# Allegro board 038NC-GRIFFI-V9A_16_20260429.brd (continued)
## Routing (per net, layer and track width the routed paths; a pad name or vN(x,y) marks a point on that pad's centre or on a via; arc(x,y) is an arc through that point) (continued)
S11_NPG / ATB1_F: length 25.7
  TOP w0.254: v1(176.02,273.78) 176.02,272.4 178.18,270.24 SITE11.F27
  L03_SIGNAL w0.076: v1(176.02,273.78) 175.22,274.58 175.22,277.88 168.03,285.06 168.03,288.78 UNK11K13.3
S11_NPG / ATB1_S: length 24.8
  L03_SIGNAL w0.076: v3(178.18,269.12) 178.18,271.38 176.7,272.87 176.7,279.78 172.63,283.85 172.63,287.38 UNK11K13.6
S11_NTC: length 67.1
  TOP w0.152: v1(172.63,262.69) 176.23,266.29 SITE11.F7 SITE11.S7
  L03_SIGNAL w0.076: UNK11TP_NTC.1 173.5,307.08 165.44,299.02 165.44,284.1 166.36,283.18 169.35,283.18 173.27,279.27 173.27,263.32 v1(172.63,262.69)
S11_NTC_K4K: length 31.6
  TOP w0.152: UNK11K5.3 186.69,307.08 185.54,308.23 180.74,308.23 179.9,307.39 179.9,306.37 UNK11K4.2 180.39,303.88 UNK11K6.3 175.53,305.48 175.53,307.39 174.75,308.18 167.57,308.18 UNK11K7.3
S11_SCL: length 9
  TOP w0.152: v1(185.36,261.57) 181.01,265.92 SITE11.F15 SITE11.S15 ; UNK11SH40.2 UNK11TP_SCL.1
S11_SCL_K9R: length 2.8
  BOTTOM w0.152: UNK11R7.2 166.25,328.04 UNK11K9.5
S11_SDA: length 7.5
  TOP w0.152: UNK11SH41.2 UNK11TP_SDA.1 ; SITE11.S14 SITE11.F14 180.18,264.18 v1(182.79,261.57)
S11_SDA_K9R: length 2.8
  BOTTOM w0.152: UNK11K9.4 169.89,328.04 UNK11R8.2
S11_VBAT_F: length 17.8
  TOP w0.152: SITE11.F1 175.77,268.69 v1(175.12,269.34)
  TOP w1.016: v1(172.62,271.3) 173.16,271.3 v1(175.12,269.34)
  BOTTOM w1.016: UNK11K10.3 185.47,287.14 186.65,285.95 186.65,284.72 188.05,283.33 189.49,283.33 190.5,284.34 190.5,286.04 191.6,287.14 UNK11TP_VBAT_F.1
S11_VBAT_K11C: length 2.2
  BOTTOM w0.152: UNK11C6.1 UNK11K11.4
S11_VBAT_K12: length 22.5
  BOTTOM w0.152: UNK11C9.1 183.59,297.11 UNK11U1.6 185.84,296.34 186.66,295.53 186.66,291.57 187.14,291.08 192.6,291.08 193.9,289.79 193.9,286.78 UNK11TP_REF_5V.1
S11_VBAT_S: length 8.4
  BOTTOM w0.152: UNK11K10.6 182.49,288.24 187.76,288.24 UNK11TP_VBAT_S.1
  vias: v3(177.36,268.69)
S11_VBUS_CK: length 8.1
  BOTTOM w0.152: UNK11C2.2 180.78,239.17 182.88,241.27 182.88,242.75 UNK11K1.3
S11_VSET: length 23.1
  TOP w0.152: v1(175.17,261.57) 177.79,264.18 SITE11.F8 SITE11.S8 ; UNK11TP_VEST.1 UNK11K3.3
  L03_SIGNAL w0.076: v1(175.17,261.57) 168.27,261.57 166.92,262.92 166.92,267.4 UNK11K3.3
S11_VSET_K3R: length 6.1
  BOTTOM w0.152: UNK11R1.2 166.23,261.71 166.23,265.88 UNK11K3.2
S12_AVSS_GS:
  vias: v1(171.62,208.34) v1(180.46,216.2) v1(180.47,214.78)
S12_AVSS_S[01]: length 6
  TOP w0.152: v1(172.62,208.34) 173.69,208.34 174.13,207.89 SITE12.S3
  BOTTOM w0.152: UNK12RS3.2 v1(172.62,208.34)
S12_EPAD2:
  vias: v1(181.46,216.2)
S12_NCHG / ATB0_F: length 24.3
  TOP w0.254: SITE12.F26 178.58,210.86 177.5,211.94 v1(177.5,213.78)
  L03_SIGNAL w0.076: v1(177.5,213.78) 178.07,214.35 178.07,221.23 175.4,223.89 175.4,229.91 UNK12K14.3
S12_NCHG / ATB0_S: length 23.8
  L03_SIGNAL w0.076: UNK12TP_NCHG/ATB0_S.1 177.13,231.38 178.8,229.71 178.8,217.16 179.74,216.22 179.74,211.84 178.58,210.68 v3(178.58,209.12)
S12_NPG / ATB1_F: length 26.7
  TOP w0.254: v1(176.02,213.78) 176.02,212.4 178.18,210.24 SITE12.F27
  L03_SIGNAL w0.076: UNK12K13.3 168.03,229.82 168.03,226.1 175.22,218.91 175.22,214.58 v1(176.02,213.78)
S12_NPG / ATB1_S: length 25.8
  L03_SIGNAL w0.076: UNK12K13.6 172.63,228.42 172.63,224.88 176.7,220.82 176.7,212.24 178.18,210.75 v3(178.18,209.12)
S12_NTC: length 42.9
  TOP w0.152: SITE12.S7 SITE12.F7 176.23,206.29 v1(172.63,202.69)
  L03_SIGNAL w0.076: UNK12TP_NTC.1 177.13,168.51 172.63,173.01 v1(172.63,202.69)
S12_NTC_K4K: length 31.6
  TOP w0.152: UNK12K7.3 190.96,166.8 183.78,166.8 182.99,167.59 182.99,169.5 UNK12K6.3 178.13,171.1 UNK12K4.2 178.62,168.61 178.62,167.59 177.79,166.75 172.99,166.75 171.83,167.9 UNK12K5.3
S12_SCL: length 9
  TOP w0.152: UNK12TP_SCL.1 UNK12SH40.2 ; SITE12.S15 SITE12.F15 181.01,205.92 v1(185.36,201.57)
S12_SCL_K9R: length 2.8
  BOTTOM w0.152: UNK12R7.2 192.28,146.94 UNK12K9.5
S12_SDA: length 7.5
  TOP w0.152: SITE12.S14 SITE12.F14 180.18,204.18 v1(182.79,201.57) ; UNK12TP_SDA.1 UNK12SH41.2
S12_SDA_K9R: length 2.8
  BOTTOM w0.152: UNK12K9.4 188.64,146.94 UNK12R8.2
S12_VBAT_F: length 17.8
  TOP w0.152: SITE12.F1 175.77,208.69 v1(175.12,209.34)
  TOP w1.016: v1(172.62,211.3) 173.16,211.3 v1(175.12,209.34)
  BOTTOM w1.016: UNK12TP_VBAT_F.1 191.6,228.18 190.5,227.07 190.5,225.38 189.49,224.36 188.05,224.36 186.65,225.76 186.65,226.99 185.47,228.18 UNK12K11.3
S12_VBAT_K11C: length 54.1
  L03_SIGNAL w0.076: v1(192.06,178.21) 190.31,179.96 190.31,189.61 184.84,195.08 184.84,199.22 188.79,203.17 188.79,212.7 184.59,216.89 UNK12K11.4
S12_VBAT_K12: length 2.3
  BOTTOM w0.152: UNK12C9.1 183.08,238.15 UNK12U1.6
S12_VBAT_S:
  vias: v3(177.36,208.69)
S12_VBUS_CK: length 6.5
  BOTTOM w0.152: UNK12K1.3 183.17,182.11 183.17,179.64 UNK12C2.2
S12_VSET: length 22
  TOP w0.152: v1(175.17,201.57) 177.79,204.18 SITE12.F8 SITE12.S8 ; UNK12TP_VEST.1 UNK12K3.3
  L03_SIGNAL w0.076: v1(175.17,201.57) 175.17,202.99 173.65,204.52 170.65,204.52 169.74,205.44 167.7,205.44 166.69,206.45 166.69,207.63 UNK12K3.3
S12_VSET_K3R: length 6.1
  BOTTOM w0.152: UNK12K3.2 166.23,205.88 166.23,201.71 UNK12R1.2
S13_AVSS_GS:
  vias: v1(201.62,268.34) v1(210.46,276.2) v1(210.47,274.78)
S13_AVSS_S[01]: length 6
  TOP w0.152: SITE13.S3 204.13,267.89 203.69,268.34 v1(202.62,268.34)
  BOTTOM w0.152: UNK13RS3.2 v1(202.62,268.34)
S13_EPAD2:
  vias: v1(211.46,276.2)
S13_NCHG / ATB0_F: length 23.2
  TOP w0.254: v1(207.5,273.78) 207.5,271.94 208.58,270.86 SITE13.F26
  L03_SIGNAL w0.076: UNK13K14.3 205.4,288.87 205.4,282.85 208.07,280.19 208.07,274.35 v1(207.5,273.78)
S13_NCHG / ATB0_S: length 22.8
  L03_SIGNAL w0.076: UNK13TP_NCHG/ATB0_S.1 207.13,290.34 208.8,288.67 208.8,276.12 209.74,275.18 209.74,271.53 208.58,270.37 v3(208.58,269.12)
S13_NPG / ATB1_F: length 25.7
  TOP w0.254: v1(206.02,273.78) 206.02,272.4 208.18,270.24 SITE13.F27
  L03_SIGNAL w0.076: v1(206.02,273.78) 205.22,274.58 205.22,277.88 198.03,285.06 198.03,288.78 UNK13K13.3
S13_NPG / ATB1_S: length 24.8
  L03_SIGNAL w0.076: v3(208.18,269.12) 208.18,271.38 206.7,272.87 206.7,279.78 202.63,283.85 202.63,287.38 UNK13K13.6
S13_NTC: length 67.2
  TOP w0.152: v1(202.63,262.69) 206.23,266.29 SITE13.F7 SITE13.S7
  L03_SIGNAL w0.076: UNK13TP_NTC.1 203.37,307.08 195.44,299.15 195.44,284.1 196.36,283.18 199.35,283.18 203.27,279.27 203.27,263.32 v1(202.63,262.69)
S13_NTC_K4K: length 31.6
  TOP w0.152: UNK13K5.3 216.69,307.08 215.54,308.23 210.74,308.23 209.9,307.39 209.9,306.37 UNK13K4.2 210.39,303.88 UNK13K6.3 205.53,305.48 205.53,307.39 204.75,308.18 197.57,308.18 UNK13K7.3
S13_SCL: length 9
  TOP w0.152: SITE13.S15 SITE13.F15 211.01,265.92 v1(215.36,261.57) ; UNK13TP_SCL.1 UNK13SH40.2
S13_SCL_K9R: length 2.8
  BOTTOM w0.152: UNK13K9.5 196.25,328.04 UNK13R7.2
S13_SDA: length 7.5
  TOP w0.152: v1(212.79,261.57) 210.18,264.18 SITE13.F14 SITE13.S14 ; UNK13SH41.2 UNK13TP_SDA.1
S13_SDA_K9R: length 2.8
  BOTTOM w0.152: UNK13R8.2 199.89,328.04 UNK13K9.4
S13_VBAT_F: length 17.8
  TOP w0.152: v1(205.12,269.34) 205.77,268.69 SITE13.F1
  TOP w1.016: v1(205.12,269.34) 203.16,271.3 v1(202.62,271.3)
  BOTTOM w1.016: UNK13K10.3 215.47,287.14 216.65,285.95 216.65,284.72 218.05,283.33 219.49,283.33 220.5,284.34 220.5,286.04 221.6,287.14 UNK13TP_VBAT_F.1
S13_VBAT_K11C: length 2.2
  BOTTOM w0.152: UNK13C6.1 UNK13K11.4
S13_VBAT_K12: length 22.5
  BOTTOM w0.152: UNK13C9.1 213.59,297.11 UNK13U1.6 215.84,296.34 216.66,295.53 216.66,291.57 217.14,291.08 222.6,291.08 223.9,289.79 223.9,286.78 UNK13TP_REF_5V.1
S13_VBAT_S: length 8.4
  BOTTOM w0.152: UNK13K10.6 212.49,288.24 217.76,288.24 UNK13TP_VBAT_S.1
  vias: v3(207.36,268.69)
S13_VBUS_CK: length 8.1
  BOTTOM w0.152: UNK13K1.3 212.85,242.72 212.85,241.25 210.78,239.17 UNK13C2.2
S13_VSET: length 23.1
  TOP w0.152: v1(205.17,261.57) 207.78,264.18 SITE13.F8 SITE13.S8 ; UNK13TP_VEST.1 UNK13K3.3
  L03_SIGNAL w0.076: UNK13K3.3 196.92,267.4 196.92,262.92 198.27,261.57 v1(205.17,261.57)
S13_VSET_K3R: length 6.1
  BOTTOM w0.152: UNK13K3.2 196.23,265.88 196.23,261.71 UNK13R1.2
S14_AVSS_GS:
  vias: v1(201.62,208.34) v1(210.46,216.2) v1(210.47,214.78)
S14_AVSS_S[01]: length 6
  TOP w0.152: SITE14.S3 204.13,207.89 203.69,208.34 v1(202.62,208.34)
  BOTTOM w0.152: UNK14RS3.2 v1(202.62,208.34)
S14_EPAD2:
  vias: v1(211.46,216.2)
S14_NCHG / ATB0_F: length 24.3
  TOP w0.254: v1(207.5,213.78) 207.5,211.94 208.58,210.86 SITE14.F26
  L03_SIGNAL w0.076: v1(207.5,213.78) 208.07,214.35 208.07,221.23 205.4,223.89 205.4,229.91 UNK14K14.3
S14_NCHG / ATB0_S: length 23.8
  L03_SIGNAL w0.076: v3(208.58,209.12) 208.58,210.68 209.74,211.84 209.74,216.22 208.8,217.16 208.8,229.71 207.13,231.38 UNK14TP_NCHG/ATB0_S.1
S14_NPG / ATB1_F: length 26.7
  TOP w0.254: v1(206.02,213.78) 206.02,212.4 208.18,210.24 SITE14.F27
  L03_SIGNAL w0.076: v1(206.02,213.78) 205.22,214.58 205.22,218.91 198.03,226.1 198.03,229.82 UNK14K13.3
S14_NPG / ATB1_S: length 25.8
  L03_SIGNAL w0.076: UNK14K13.6 202.63,228.42 202.63,224.88 206.7,220.82 206.7,212.24 208.18,210.75 v3(208.18,209.12)
S14_NTC: length 42.9
  TOP w0.152: SITE14.S7 SITE14.F7 206.23,206.29 v1(202.63,202.69)
  L03_SIGNAL w0.076: v1(202.63,202.69) 202.63,172.98 207.13,168.48 UNK14TP_NTC.1
S14_NTC_K4K: length 31.6
  TOP w0.152: UNK14K7.3 220.96,166.8 213.78,166.8 212.99,167.59 212.99,169.5 UNK14K6.3 208.13,171.1 UNK14K4.2 208.62,168.61 208.62,167.59 207.79,166.75 202.99,166.75 201.83,167.9 UNK14K5.3
S14_SCL: length 9
  TOP w0.152: v1(215.36,201.57) 211.01,205.92 SITE14.F15 SITE14.S15 ; UNK14TP_SCL.1 UNK14SH40.2
S14_SCL_K9R: length 2.8
  BOTTOM w0.152: UNK14R7.2 222.28,146.94 UNK14K9.5
S14_SDA: length 7.5
  TOP w0.152: UNK14TP_SDA.1 UNK14SH41.2 ; v1(212.79,201.57) 210.18,204.18 SITE14.F14 SITE14.S14
S14_SDA_K9R: length 2.8
  BOTTOM w0.152: UNK14R8.2 218.64,146.94 UNK14K9.4
S14_VBAT_F: length 17.8
  TOP w0.152: SITE14.F1 205.77,208.69 v1(205.12,209.34)
  TOP w1.016: v1(205.12,209.34) 203.16,211.3 v1(202.62,211.3)
  BOTTOM w1.016: UNK14K11.3 215.47,228.18 216.65,226.99 216.65,225.76 218.05,224.36 219.49,224.36 220.5,225.38 220.5,227.07 221.6,228.18 UNK14TP_VBAT_F.1
S14_VBAT_K11C: length 54.1
  L03_SIGNAL w0.076: UNK14K11.4 214.59,216.89 218.79,212.7 218.79,203.17 214.84,199.22 214.84,195.08 220.31,189.61 220.31,179.96 v1(222.06,178.21)
S14_VBAT_K12: length 2.3
  BOTTOM w0.152: UNK14U1.6 213.08,238.15 UNK14C9.1
S14_VBAT_S:
  vias: v3(207.36,208.69)
S14_VBUS_CK: length 6.5
  BOTTOM w0.152: UNK14C2.2 213.17,179.64 213.17,182.11 UNK14K1.3
S14_VSET: length 22
  TOP w0.152: v1(205.17,201.57) 207.78,204.18 SITE14.F8 SITE14.S8 ; UNK14TP_VEST.1 UNK14K3.3
  L03_SIGNAL w0.076: v1(205.17,201.57) 205.17,202.99 203.65,204.52 200.65,204.52 199.74,205.44 197.7,205.44 196.69,206.45 196.69,207.63 UNK14K3.3
S14_VSET_K3R: length 6.1
  BOTTOM w0.152: UNK14K3.2 196.23,205.88 196.23,201.71 UNK14R1.2
S15_AVSS_GS:
  vias: v1(231.62,268.34) v1(240.46,276.2) v1(240.47,274.78)
S15_AVSS_S[01]: length 6
  TOP w0.152: v1(232.62,268.34) 233.69,268.34 234.13,267.89 SITE15.S3
  BOTTOM w0.152: UNK15RS3.2 v1(232.62,268.34)
S15_EPAD2:
  vias: v1(241.46,276.2)
S15_NCHG / ATB0_F: length 23.2
  TOP w0.254: v1(237.5,273.78) 237.5,271.94 238.58,270.86 SITE15.F26
  L03_SIGNAL w0.076: v1(237.5,273.78) 238.07,274.35 238.07,280.19 235.4,282.85 235.4,288.87 UNK15K14.3
S15_NCHG / ATB0_S: length 22.8
  L03_SIGNAL w0.076: v3(238.58,269.12) 238.58,270.37 239.74,271.53 239.74,275.18 238.8,276.12 238.8,288.67 237.13,290.34 UNK15TP_NCHG/ATB0_S.1
S15_NPG / ATB1_F: length 25.7
  TOP w0.254: v1(236.02,273.78) 236.02,272.4 238.18,270.24 SITE15.F27
  L03_SIGNAL w0.076: UNK15K13.3 228.03,288.78 228.03,285.06 235.22,277.88 235.22,274.58 v1(236.02,273.78)
S15_NPG / ATB1_S: length 24.8
  L03_SIGNAL w0.076: UNK15K13.6 232.63,287.38 232.63,283.85 236.69,279.78 236.69,272.87 238.18,271.38 v3(238.18,269.12)
S15_NTC: length 67.1
  TOP w0.152: v1(232.63,262.69) 236.23,266.29 SITE15.F7 SITE15.S7
  L03_SIGNAL w0.076: UNK15TP_NTC.1 233.52,307.08 225.44,299 225.44,284.1 226.36,283.18 229.35,283.18 233.27,279.27 233.27,263.32 v1(232.63,262.69)
S15_NTC_K4K: length 31.6
  TOP w0.152: UNK15K5.3 246.69,307.08 245.54,308.23 240.74,308.23 239.9,307.39 239.9,306.37 UNK15K4.2 240.39,303.88 UNK15K6.3 235.53,305.48 235.53,307.39 234.75,308.18 227.57,308.18 UNK15K7.3
S15_SCL: length 9
  TOP w0.152: UNK15SH40.2 UNK15TP_SCL.1 ; SITE15.S15 SITE15.F15 241.01,265.92 v1(245.36,261.57)
S15_SCL_K9R: length 2.8
  BOTTOM w0.152: UNK15R7.2 226.25,328.04 UNK15K9.5
S15_SDA: length 7.5
  TOP w0.152: v1(242.79,261.57) 240.18,264.18 SITE15.F14 SITE15.S14 ; UNK15SH41.2 UNK15TP_SDA.1
S15_SDA_K9R: length 2.8
  BOTTOM w0.152: UNK15K9.4 229.89,328.04 UNK15R8.2
S15_VBAT_F: length 17.8
  TOP w0.152: SITE15.F1 235.77,268.69 v1(235.12,269.34)
  TOP w1.016: v1(232.62,271.3) 233.16,271.3 v1(235.12,269.34)
  BOTTOM w1.016: UNK15TP_VBAT_F.1 251.6,287.14 250.5,286.04 250.5,284.34 249.49,283.33 248.05,283.33 246.65,284.72 246.65,285.95 245.47,287.14 UNK15K10.3
S15_VBAT_K11C: length 2.2
  BOTTOM w0.152: UNK15C6.1 UNK15K11.4
S15_VBAT_K12: length 22.5
  BOTTOM w0.152: UNK15C9.1 243.59,297.11 UNK15U1.6 245.84,296.34 246.66,295.53 246.66,291.57 247.14,291.08 252.6,291.08 253.9,289.79 253.9,286.78 UNK15TP_REF_5V.1
S15_VBAT_S: length 8.4
  BOTTOM w0.152: UNK15TP_VBAT_S.1 247.76,288.24 242.49,288.24 UNK15K10.6
  vias: v3(237.36,268.69)
S15_VBUS_CK: length 8.1
  BOTTOM w0.152: UNK15K1.3 242.9,242.77 242.9,241.33 240.75,239.17 UNK15C2.2
S15_VSET: length 23.1
  TOP w0.152: v1(235.17,261.57) 237.78,264.18 SITE15.F8 SITE15.S8 ; UNK15TP_VEST.1 UNK15K3.3
  L03_SIGNAL w0.076: v1(235.17,261.57) 228.27,261.57 226.92,262.92 226.92,267.4 UNK15K3.3
S15_VSET_K3R: length 6.1
  BOTTOM w0.152: UNK15K3.2 226.23,265.88 226.23,261.71 UNK15R1.2
S16_AVSS_GS:
  vias: v1(231.62,208.34) v1(240.46,216.2) v1(240.47,214.78)
S16_AVSS_S[01]: length 6
  TOP w0.152: v1(232.62,208.34) 233.69,208.34 234.13,207.89 SITE16.S3
  BOTTOM w0.152: UNK16RS3.2 v1(232.62,208.34)
S16_EPAD2:
  vias: v1(241.46,216.2)
S16_NCHG / ATB0_F: length 24.3
  TOP w0.254: SITE16.F26 238.58,210.86 237.5,211.94 v1(237.5,213.78)
  L03_SIGNAL w0.076: UNK16K14.3 235.4,229.91 235.4,223.89 238.07,221.23 238.07,214.35 v1(237.5,213.78)
S16_NCHG / ATB0_S: length 23.8
  L03_SIGNAL w0.076: UNK16TP_NCHG/ATB0_S.1 237.13,231.38 238.8,229.71 238.8,217.16 239.74,216.22 239.74,211.84 238.58,210.68 v3(238.58,209.12)
S16_NPG / ATB1_F: length 26.7
  TOP w0.254: v1(236.02,213.78) 236.02,212.4 238.18,210.24 SITE16.F27
  L03_SIGNAL w0.076: v1(236.02,213.78) 235.22,214.58 235.22,218.91 228.03,226.1 228.03,229.82 UNK16K13.3
S16_NPG / ATB1_S: length 25.8
  L03_SIGNAL w0.076: v3(238.18,209.12) 238.18,210.75 236.69,212.24 236.69,220.82 232.63,224.88 232.63,228.42 UNK16K13.6
S16_NTC: length 42.9
  TOP w0.152: v1(232.63,202.69) 236.23,206.29 SITE16.F7 SITE16.S7
  L03_SIGNAL w0.076: v1(232.63,202.69) 232.63,173.01 237.13,168.51 UNK16TP_NTC.1
S16_NTC_K4K: length 31.6
  TOP w0.152: UNK16K5.3 231.83,167.9 232.99,166.75 237.79,166.75 238.62,167.59 238.62,168.61 UNK16K4.2 238.13,171.1 UNK16K6.3 242.99,169.5 242.99,167.59 243.78,166.8 250.96,166.8 UNK16K7.3
S16_SCL: length 9
  TOP w0.152: SITE16.S15 SITE16.F15 241.01,205.92 v1(245.36,201.57) ; UNK16TP_SCL.1 UNK16SH40.2
S16_SCL_K9R: length 2.8
  BOTTOM w0.152: UNK16K9.5 252.28,146.94 UNK16R7.2
S16_SDA: length 7.5
  TOP w0.152: UNK16TP_SDA.1 UNK16SH41.2 ; SITE16.S14 SITE16.F14 240.18,204.18 v1(242.79,201.57)
S16_SDA_K9R: length 2.8
  BOTTOM w0.152: UNK16R8.2 248.64,146.94 UNK16K9.4
S16_VBAT_F: length 17.8
  TOP w0.152: v1(235.12,209.34) 235.77,208.69 SITE16.F1
  TOP w1.016: v1(232.62,211.3) 233.16,211.3 v1(235.12,209.34)
  BOTTOM w1.016: UNK16K11.3 245.47,228.18 246.65,226.99 246.65,225.76 248.05,224.36 249.49,224.36 250.5,225.38 250.5,227.07 251.6,228.18 UNK16TP_VBAT_F.1
S16_VBAT_K11C: length 54.1
  L03_SIGNAL w0.076: v1(252.06,178.21) 250.31,179.96 250.31,189.61 244.84,195.08 244.84,199.22 248.79,203.17 248.79,212.7 244.59,216.89 UNK16K11.4
S16_VBAT_K12: length 2.3
  BOTTOM w0.152: UNK16U1.6 243.08,238.15 UNK16C9.1
S16_VBAT_S:
  vias: v3(237.36,208.69)
S16_VBUS_CK: length 6.5
  BOTTOM w0.152: UNK16C2.2 243.17,179.64 243.17,182.11 UNK16K1.3
S16_VSET: length 22
  TOP w0.152: UNK16TP_VEST.1 UNK16K3.3 ; SITE16.S8 SITE16.F8 237.78,204.18 v1(235.17,201.57)
  L03_SIGNAL w0.076: v1(235.17,201.57) 235.17,202.99 233.65,204.52 230.65,204.52 229.74,205.44 227.7,205.44 226.69,206.45 226.69,207.63 UNK16K3.3
S16_VSET_K3R: length 6.1
  BOTTOM w0.152: UNK16R1.2 226.23,201.71 226.23,205.88 UNK16K3.2
SDUI2C1_SYS_P3V3:
  vias: v1(125.14,111.65)
SDUI2C1_SYS_SCLK: length 3.8
  BOTTOM w0.152: R24.2 123.55,110.11 v1(122.15,111.51)
SDUI2C1_SYS_SDA:
  vias: v1(125.01,107.84)
SDUI2C1_USER_SCLK: length 11.9
  BOTTOM w0.152: v1(68.1,101.42) 65.26,104.26 v1(65.07,104.26) 61.81,107.52 v3(58.72,107.52)
SDUI2C1_USER_SDA: length 14.8
  TOP w0.152: v1(58.72,111.58) v3(58.72,108.17) 65.57,108.17 66.29,107.44 66.29,105.41 65.79,104.91 U4.2
SDUP5V1:
  vias: v1(67.61,120.65) v1(71.76,112.78) v1(72.34,120.65) v1(75.08,126.11) v1(85.73,123.69)
U4_CT: length 2.5
  TOP w0.152: v3(58.72,106.22) 59.38,105.56 U4.10
U4_INT: length 2.5
  TOP w0.152: v3(58.72,106.87) 59.38,106.21 U4.9
U6_SCL: length 2.4
  BOTTOM w0.152: U6.6 R24.1
U6_SDA: length 7.1
  BOTTOM w0.152: U6.5 126.55,108.65 R21.2 R23.1 122.96,108.84 v1(122.1,107.98)
U6_VCC:
  vias: v1(125.14,112.65) v1(126.4,112.65) v1(126.36,107.84) v1(126.37,105.28) v1(128.73,112.84)
U46_ADJ: length 4.2
  BOTTOM w0.152: U46.1 174.35,107.72 R376.2 R381.1
U46_R: length 1.4
  BOTTOM w0.152: R381.2 R382.1
U47_ADJ: length 4
  BOTTOM w0.152: R378.1 R383.2 U47.1
UGND:
  vias: v1(22.23,106.68) v1(31.36,120.65) v1(39.67,110.11) v1(44.4,110.11) v1(49.96,120.65) v1(59.3,120.65) v1(77.9,120.65) v1(79.16,112.54) v1(92.32,120.65) v1(100.63,110.11) v1(105.36,110.11) v1(110.92,120.65) v1(120.26,120.65) v1(138.86,120.65)
USER_12V:
  vias: v1(17.15,127) v1(38.8,238.65) v1(39.3,297.61) v1(40.9,238.65) v1(40.9,237.13) v1(41.4,297.61) v1(41.4,296.09) v1(69.3,297.61) v1(71.4,297.61) v1(71.4,296.09) v1(99.3,297.61) v1(100.63,120.65) v1(101.4,297.61) v1(101.4,296.09) v1(105.36,120.65) v1(112.22,125.73) v1(129.3,297.61) v1(131.4,297.61) v1(131.4,296.09) v1(159.3,297.61) v1(161.4,297.61) v1(161.4,296.09) v1(189.3,297.61) v1(191.4,297.61) v1(191.4,296.09) v1(219.3,297.61) v1(221.4,297.61) v1(221.4,296.09) v1(249.3,297.61) v1(251.4,297.61) v1(251.4,296.09)
USER_-5V:
  vias: v1(82.68,107.65) v1(92.32,110.11) v1(110.92,110.11) v1(115.7,107.98)
VI_577_8-CH1F: length 4.6
  TOP w0.254: v1(112.62,206.86) 113.25,207.49 SITE8.F4
  vias: v1(116.98,146.72)
VI_577_8-CH1S:
  vias: v1(119.52,146.72) v3(117.36,207.49)
VI_578_8-CH2F: length 5.8
  TOP w0.254: SITE8.F23 119.79,210.14 v1(123.43,213.78)
  vias: v1(111.9,146.72)
VI_578_8-CH2S:
  vias: v1(114.44,146.72) v3(119.79,209.12)
VI_579_8-CH3F: length 6.5
  TOP w0.254: v1(124.91,213.78) 120.64,209.51 SITE8.F22
  vias: v1(106.82,146.72)
VI_579_8-CH3S:
  vias: v1(109.36,146.72) v3(120.18,209.12)
VI_580_8-CH4F: length 6.4
  TOP w0.254: SITE8.F21 124.27,208.69 v1(125.35,209.77)
  BOTTOM w0.254: v1(129.64,149.43) UNK8R7.1
  vias: v1(109.36,141.64)
VI_580_8-CH4S:
  vias: v1(106.82,141.64) v3(120.61,208.69)
VI_581_8-CH5F: length 5.9
  TOP w0.254: 116.26,210.48 117.23,209.51 SITE8.F28
  TOP w1.016: v1(114.54,213.78) v1(114.54,212.21) 116.26,210.48
  vias: v1(124.6,146.72)
VI_581_8-CH5S:
  vias: v1(122.06,146.72) v3(117.79,209.12)
VI_583_8-CH7F: length 4.3
  TOP w0.254: SITE8.F20 v1(125.35,208.29)
  vias: v1(116.98,141.64)
VI_583_8-CH7S:
  vias: v1(119.52,141.64) v3(120.61,208.29)
VI_585_8-CH9F: length 4.6
  TOP w0.254: v1(82.62,206.86) 83.25,207.49 SITE6.F4
  vias: v1(86.98,146.72)
VI_585_8-CH9S:
  vias: v1(89.52,146.72) v3(87.36,207.49)
VI_586_8-CH10F: length 5.8
  TOP w0.254: SITE6.F23 89.79,210.14 v1(93.43,213.78)
  vias: v1(81.9,146.72)
VI_586_8-CH10S:
  vias: v1(84.44,146.72) v3(89.79,209.12)
VI_587_8-CH11F: length 6.5
  TOP w0.254: SITE6.F22 90.64,209.51 v1(94.91,213.78)
  vias: v1(76.82,146.72)
VI_587_8-CH11S:
  vias: v1(79.36,146.72) v3(90.18,209.12)
VI_588_8-CH12F: length 6.4
  TOP w0.254: v1(95.35,209.77) 94.27,208.69 SITE6.F21
  BOTTOM w0.254: v1(99.64,149.43) UNK6R7.1
  vias: v1(79.36,141.64)
VI_588_8-CH12S:
  vias: v1(76.82,141.64) v3(90.61,208.69)
VI_589_8-CH13F: length 5.9
  TOP w0.254: 86.26,210.48 87.23,209.51 SITE6.F28
  TOP w1.016: v1(84.54,213.78) 84.54,212.21 86.26,210.48
  vias: v1(94.6,146.72)
VI_589_8-CH13S:
  vias: v1(92.06,146.72) v3(87.79,209.12)
VI_591_8-CH15F: length 4.3
  TOP w0.254: SITE6.F20 v1(95.35,208.29)
  vias: v1(86.98,141.64)
VI_591_8-CH15S:
  vias: v1(89.52,141.64) v3(90.61,208.29)
VI_593_8-CH17F: length 4.6
  TOP w0.254: SITE2.F4 23.25,207.49 v1(22.62,206.86)
  vias: v1(26.98,146.72)
VI_593_8-CH17S:
  vias: v1(29.52,146.72) v3(27.36,207.49)
VI_594_8-CH18F: length 5.8
  TOP w0.254: v1(33.43,213.78) 29.79,210.14 SITE2.F23
  vias: v1(21.9,146.72)
VI_594_8-CH18S:
  vias: v1(24.44,146.72) v3(29.79,209.12)
VI_595_8-CH19F: length 6.5
  TOP w0.254: SITE2.F22 30.64,209.51 v1(34.91,213.78)
  vias: v1(16.82,146.72)
VI_595_8-CH19S:
  vias: v1(19.36,146.72) v3(30.19,209.12)
VI_596_8-CH20F: length 6.4
  TOP w0.254: v1(35.35,209.77) 34.27,208.69 SITE2.F21
  BOTTOM w0.254: v1(39.64,149.43) UNK2R7.1
  vias: v1(19.36,141.64)
VI_596_8-CH20S:
  vias: v1(16.82,141.64) v3(30.61,208.69)
VI_597_8-CH21F: length 5.9
  TOP w0.254: SITE2.F28 27.23,209.51 26.26,210.48
  TOP w1.016: v1(24.54,213.78) v1(24.54,212.21) 26.26,210.48
  vias: v1(34.6,146.72)
VI_597_8-CH21S:
  vias: v1(32.06,146.72) v3(27.79,209.12)
VI_599_8-CH23F: length 4.3
  TOP w0.254: SITE2.F20 v1(35.35,208.29)
  vias: v1(26.98,141.64)
VI_599_8-CH23S:
  vias: v1(29.52,141.64) v3(30.61,208.29)
VI_609_8-CH33F: length 4.6
  TOP w0.254: v1(232.62,206.86) 233.25,207.49 SITE16.F4
  vias: v1(236.98,146.72)
VI_609_8-CH33S:
  vias: v1(239.52,146.72) v3(237.36,207.49)
VI_610_8-CH34F: length 5.8
  TOP w0.254: v1(243.43,213.78) 239.78,210.14 SITE16.F23
  vias: v1(231.9,146.72)
VI_610_8-CH34S:
  vias: v1(234.44,146.72) v3(239.78,209.12)
VI_611_8-CH35F: length 6.5
  TOP w0.254: SITE16.F22 240.64,209.51 v1(244.91,213.78)
  vias: v1(226.82,146.72)
VI_611_8-CH35S:
  vias: v1(229.36,146.72) v3(240.18,209.12)
VI_612_8-CH36F: length 6.4
  TOP w0.254: SITE16.F21 244.27,208.69 v1(245.35,209.77)
  BOTTOM w0.254: v1(249.64,149.43) UNK16R7.1
  vias: v1(229.36,141.64)
VI_612_8-CH36S:
  vias: v1(226.82,141.64) v3(240.61,208.69)
VI_613_8-CH37F: length 5.9
  TOP w0.254: SITE16.F28 237.23,209.51 236.26,210.48
  TOP w1.016: v1(234.54,213.78) v1(234.54,212.21) 236.26,210.48
  vias: v1(244.6,146.72)
VI_613_8-CH37S:
  vias: v1(242.06,146.72) v3(237.78,209.12)
VI_615_8-CH39F: length 4.3
  TOP w0.254: SITE16.F20 v1(245.35,208.29)
  vias: v1(236.98,141.64)
VI_615_8-CH39S:
  vias: v1(239.52,141.64) v3(240.61,208.29)
VI_617_8-CH41F: length 4.6
  TOP w0.254: SITE14.F4 203.25,207.49 v1(202.62,206.86)
  vias: v1(206.98,146.72)
VI_617_8-CH41S:
  vias: v1(209.52,146.72) v3(207.36,207.49)
VI_618_8-CH42F: length 5.8
  TOP w0.254: SITE14.F23 209.78,210.14 v1(213.43,213.78)
  vias: v1(201.9,146.72)
VI_618_8-CH42S:
  vias: v1(204.44,146.72) v3(209.78,209.12)
VI_619_8-CH43F: length 6.5
  TOP w0.254: v1(214.91,213.78) 210.64,209.51 SITE14.F22
  vias: v1(196.82,146.72)
VI_619_8-CH43S:
  vias: v1(199.36,146.72) v3(210.18,209.12)
VI_620_8-CH44F: length 6.4
  TOP w0.254: v1(215.35,209.77) 214.27,208.69 SITE14.F21
  BOTTOM w0.254: v1(219.64,149.43) UNK14R7.1
  vias: v1(199.36,141.64)
VI_620_8-CH44S:
  vias: v1(196.82,141.64) v3(210.61,208.69)
VI_621_8-CH45F: length 5.9
  TOP w0.254: 206.26,210.48 207.23,209.51 SITE14.F28
  TOP w1.016: 206.26,210.48 v1(204.54,212.21) v1(204.54,213.78)
  vias: v1(214.6,146.72)
VI_621_8-CH45S:
  vias: v1(212.06,146.72) v3(207.78,209.12)
VI_623_8-CH47F: length 4.3
  TOP w0.254: SITE14.F20 v1(215.35,208.29)
  vias: v1(206.98,141.64)
VI_623_8-CH47S:
  vias: v1(209.52,141.64) v3(210.61,208.29)
VI_625_8-CH49F: length 4.6
  TOP w0.254: v1(172.62,206.86) 173.25,207.49 SITE12.F4
  vias: v1(176.98,146.72)
VI_625_8-CH49S:
  vias: v1(179.52,146.72) v3(177.36,207.49)
VI_626_8-CH50F: length 5.8
  TOP w0.254: v1(183.43,213.78) 179.79,210.14 SITE12.F23
  vias: v1(171.9,146.72)
VI_626_8-CH50S:
  vias: v1(174.44,146.72) v3(179.79,209.12)
VI_627_8-CH51F: length 6.5
  TOP w0.254: SITE12.F22 180.64,209.51 v1(184.91,213.78)
  vias: v1(166.82,146.72)
VI_627_8-CH51S:
  vias: v1(169.36,146.72) v3(180.18,209.12)
VI_628_8-CH52F: length 6.4
  TOP w0.254: SITE12.F21 184.27,208.69 v1(185.35,209.77)
  BOTTOM w0.254: v1(189.64,149.43) UNK12R7.1
  vias: v1(169.36,141.64)
VI_628_8-CH52S:
  vias: v1(166.82,141.64) v3(180.61,208.69)
VI_629_8-CH53F: length 5.9
  TOP w0.254: 176.26,210.48 177.23,209.51 SITE12.F28
  TOP w1.016: v1(174.54,213.78) v1(174.54,212.21) 176.26,210.48
  vias: v1(184.6,146.72)
VI_629_8-CH53S:
  vias: v1(182.06,146.72) v3(177.79,209.12)
VI_631_8-CH55F: length 4.3
  TOP w0.254: SITE12.F20 v1(185.35,208.29)
  vias: v1(176.98,141.64)
VI_631_8-CH55S:
  vias: v1(179.52,141.64) v3(180.61,208.29)
VI_633_8-CH57F: length 4.6
  TOP w0.254: SITE10.F4 143.25,207.49 v1(142.62,206.86)
  vias: v1(146.98,146.72)
VI_633_8-CH57S:
  vias: v1(149.52,146.72) v3(147.36,207.49)
